# Altium PCB PCB_power.PcbDoc
Units mil, origin at the board's own origin, x right, y up, seen from the top; angles counter-clockwise.
Board outline 7372.49 x 4810 mil, 4 copper layers (Top Layer, PWR Plane, GND Plane, Bottom Layer), stack 43.624 mil thick; 85 components, 49 nets, 343 pads, 385 vias.
Unrouted connection lines stored in the file: 4.
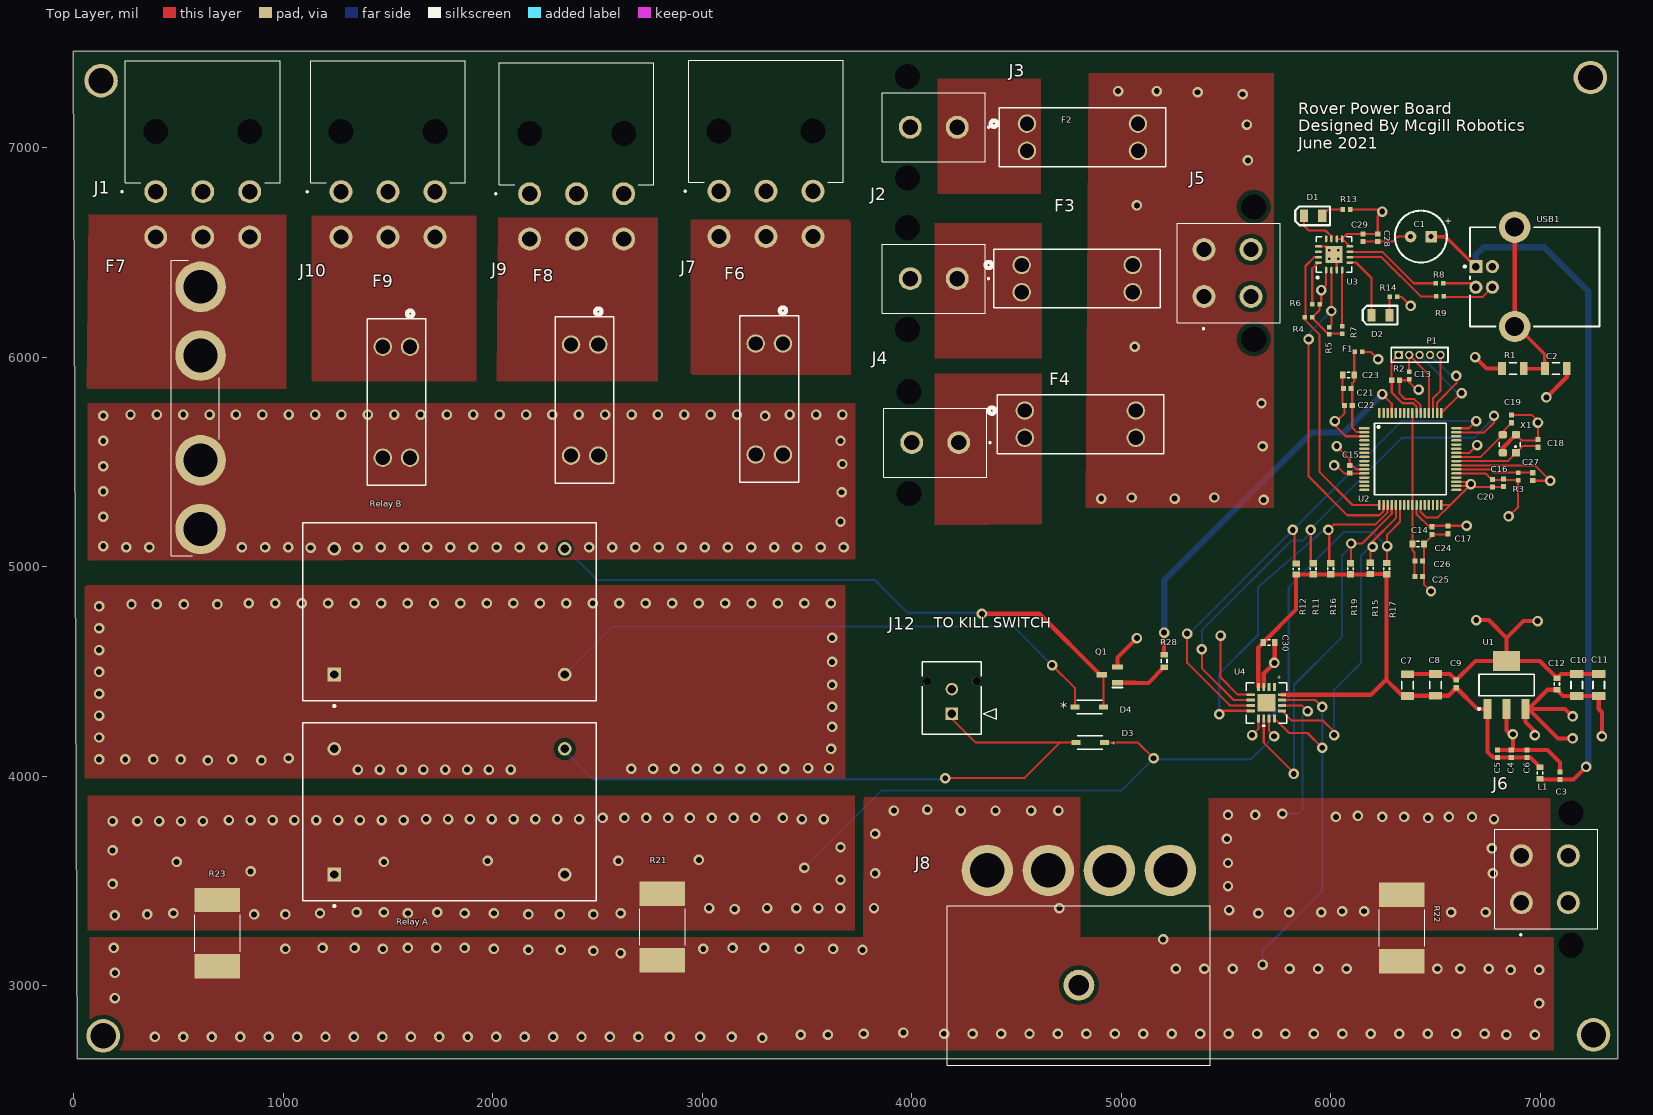
[diagram p0: Top Layer view]
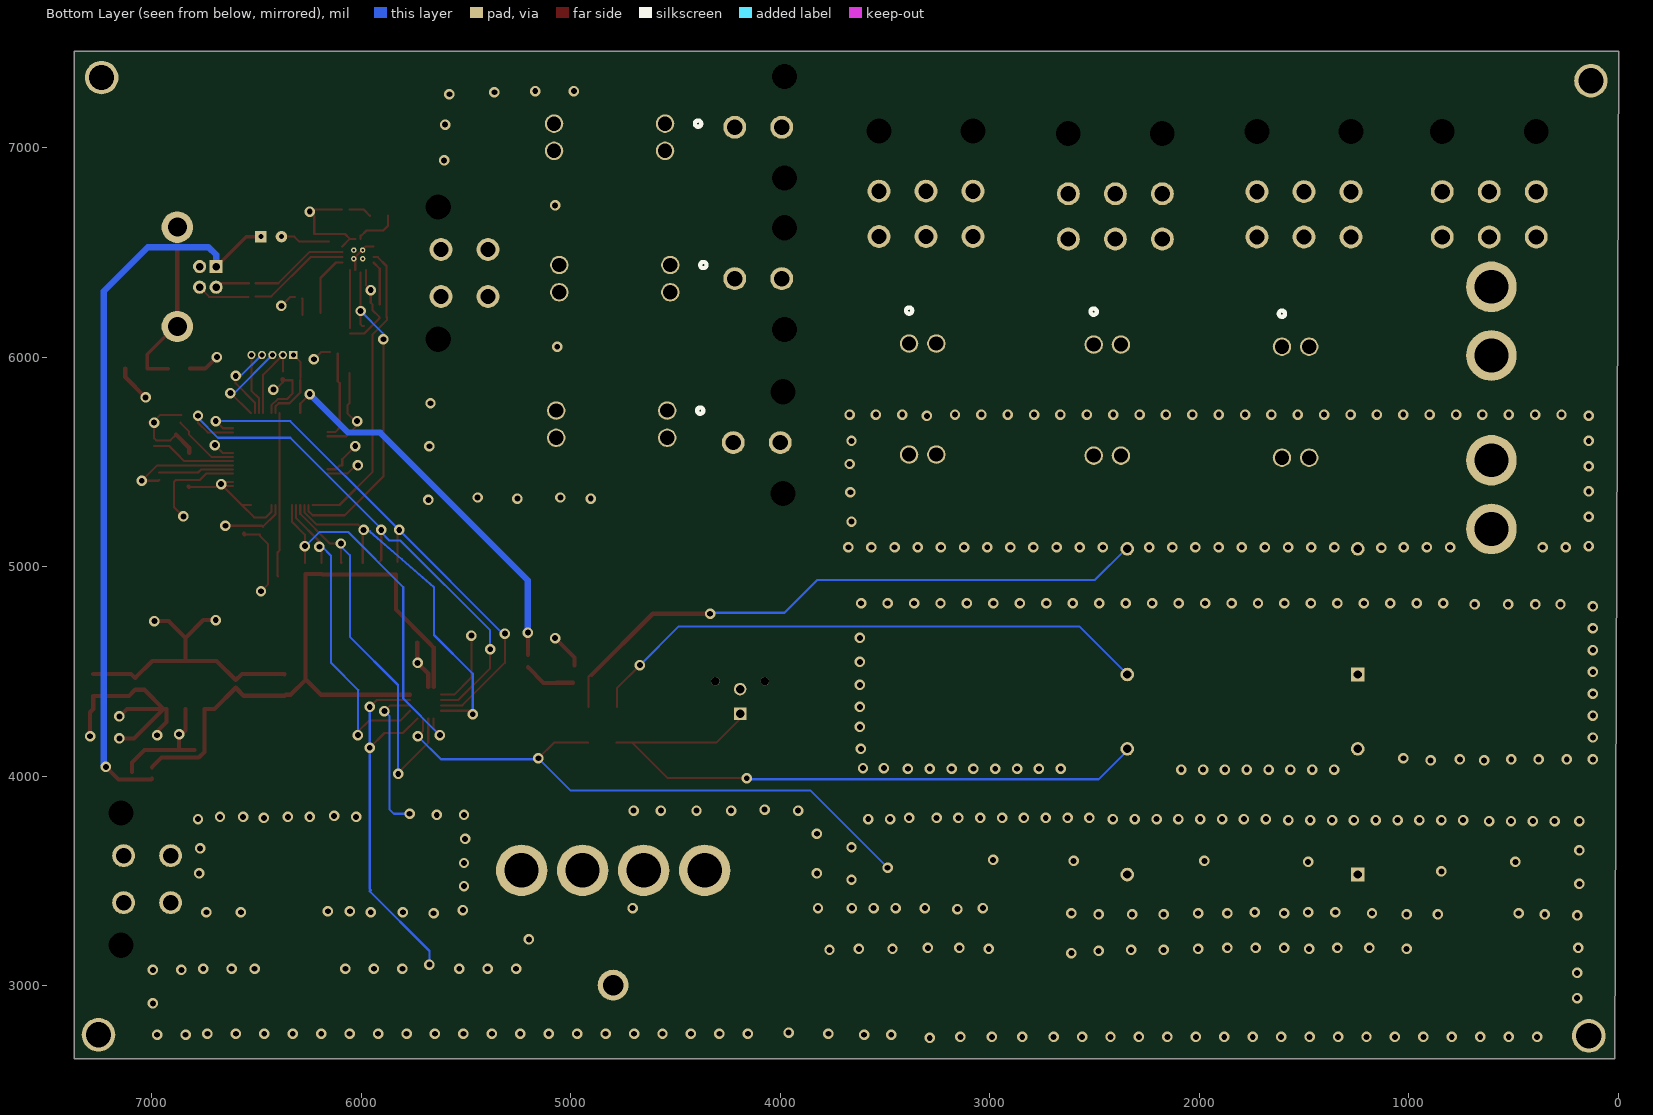
[diagram p1: Bottom Layer view, seen from below]
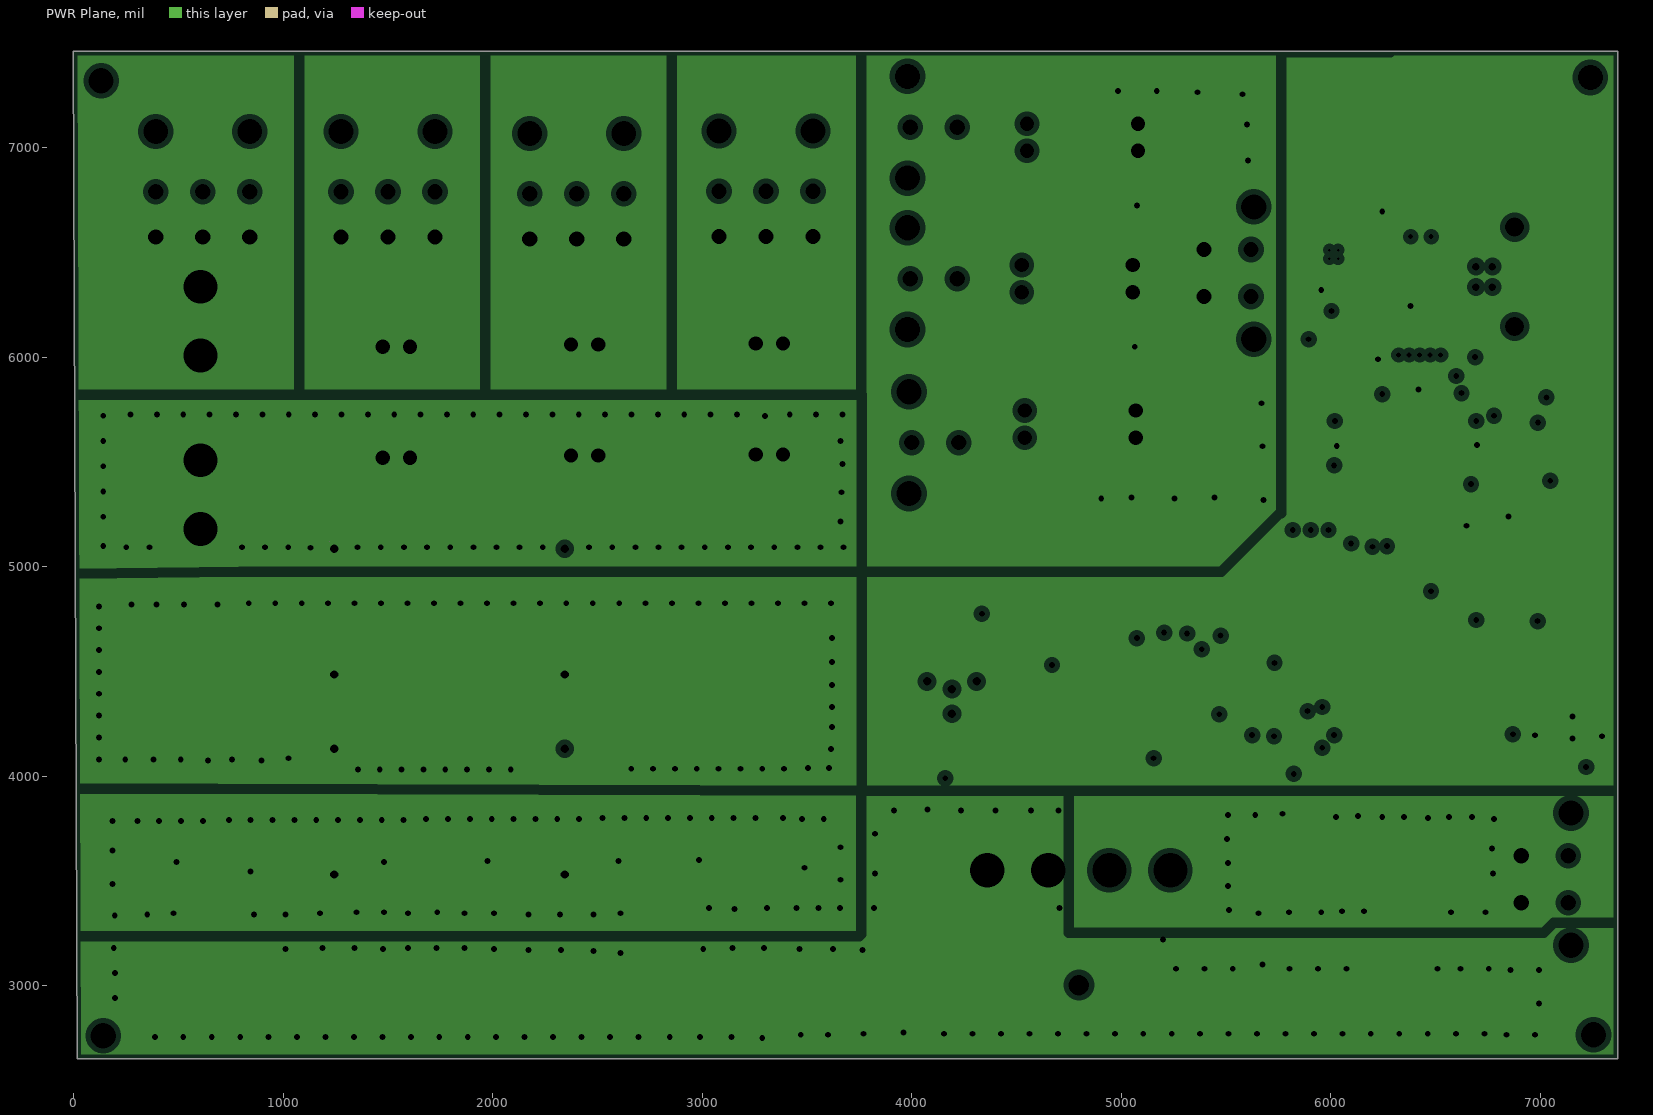
[diagram p2: PWR Plane, clearances drawn from the general rule]
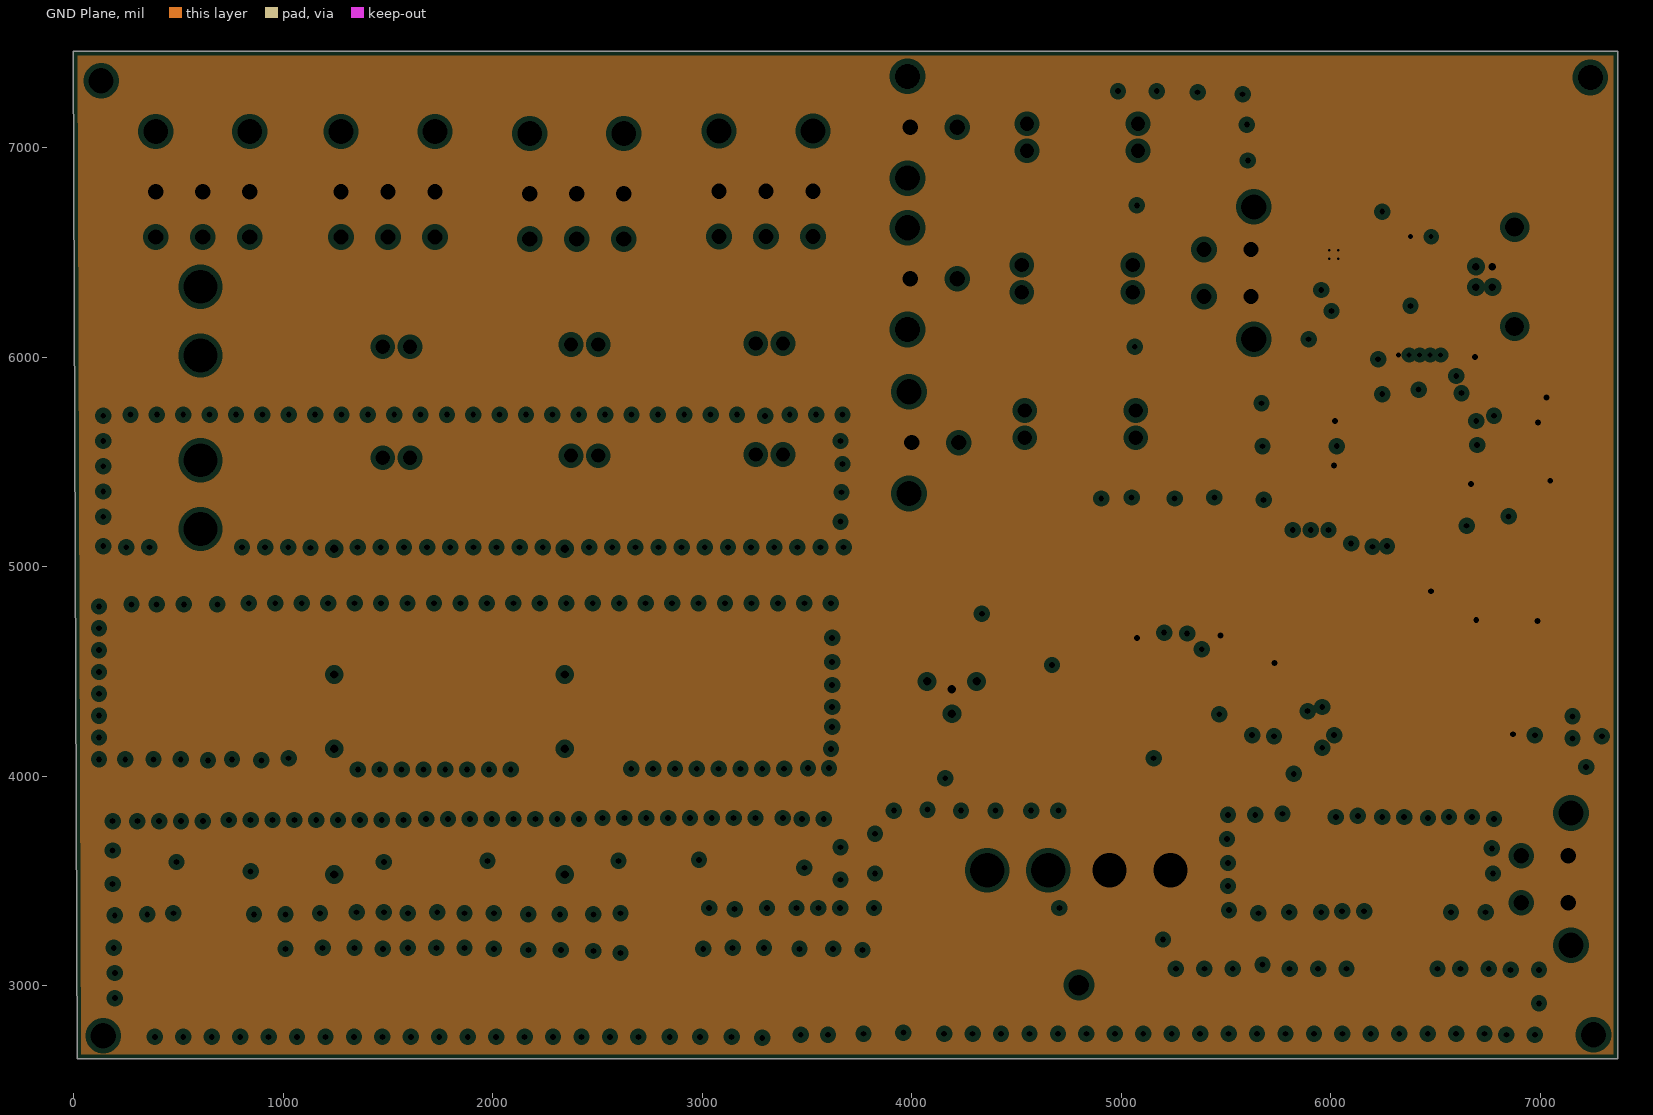
[diagram p3: GND Plane, clearances drawn from the general rule]
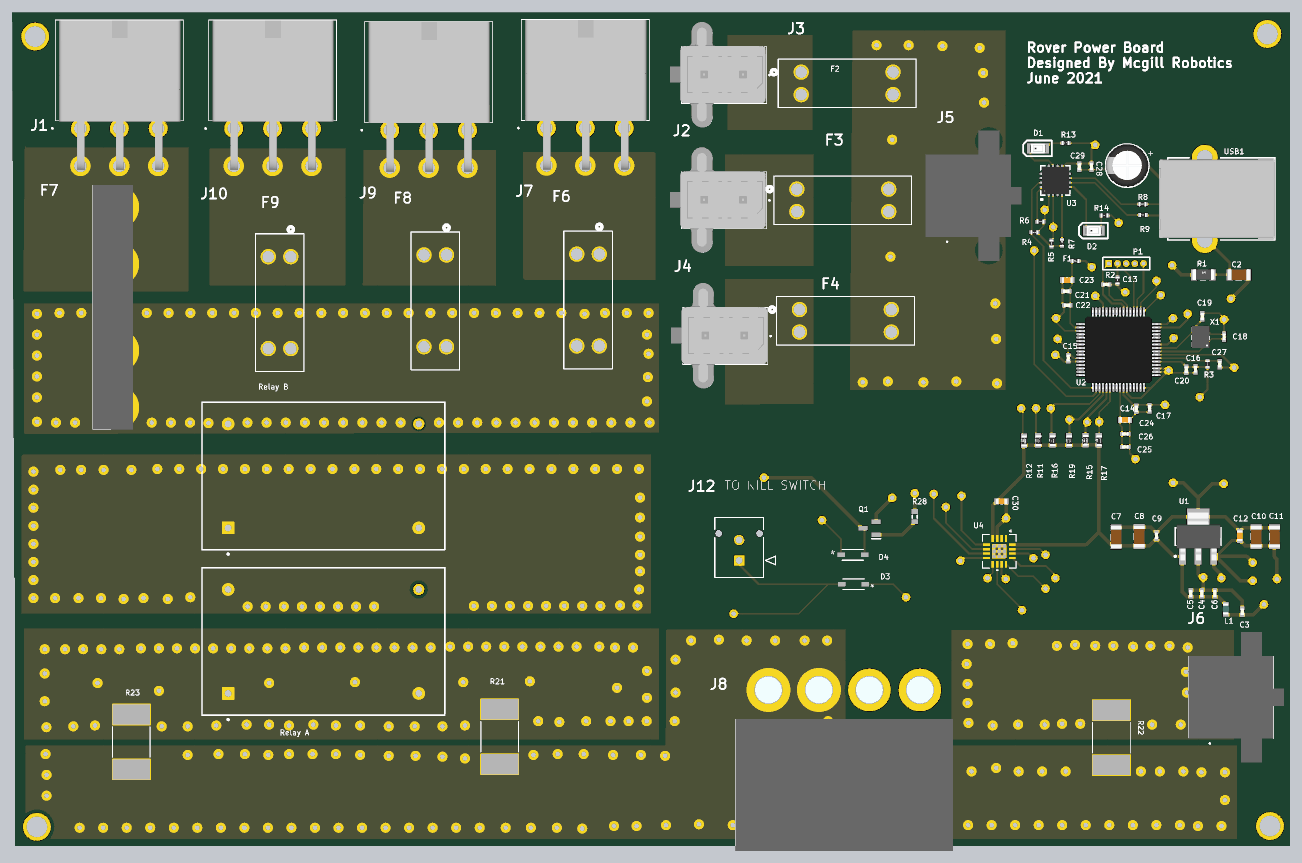
[diagram p4: 3D render of the assembled board from above, using the file's embedded part models]

## Layer stack, top to bottom
Top Solder: solder mask 0.4, Solder Resist, Dk 3.5
Top Layer: signal copper 2.7559
Dielectric 1: dielectric 12.6, FR-4, Dk 4.8
PWR Plane: plane copper 2.7559, net (Multiple Nets)
Dielectric 2: dielectric 10, Dk 4.2
GND Plane: plane copper 2.7559, net GND
Dielectric 3: dielectric 10, Dk 4.2
Bottom Layer: signal copper 2.7559
Bottom Solder: solder mask 0.4, Solder Resist, Dk 3.5

## Board outline
-2.49,7460 7370,7460 7370,2650 14.86,2650
cut-out: 1219.33,5117.67
cut-out: 8064.41,6636.2
cut-out: 5920,935

## Design rules (kind name [scope] priority, off if disabled: settings)
Clearance Clearance_5 [InNamedPolygon('Top Layer-IN-1')] p1: gap=10 ignorepadtopadclearanceinfootprint=FALSE
Clearance Clearance_4 [InNamedPolygon('Top Layer-RELAY_B')] p2: gap=10 ignorepadtopadclearanceinfootprint=FALSE
Clearance Clearance_3 [InNamedPolygon('Top Layer-IN-1')] p3: gap=10 ignorepadtopadclearanceinfootprint=FALSE
Clearance Clearance_2 [InNamedPolygon('Top Layer-12V')] p4: gap=20 ignorepadtopadclearanceinfootprint=FALSE
Clearance Clearance_1 [InNamedPolygon('Top Layer-RELAY_A')] p5: gap=19.68 ignorepadtopadclearanceinfootprint=FALSE
Clearance [All] p6: gap=5 ignorepadtopadclearanceinfootprint=FALSE except(20: Arc-Poly THPad-Poly)
HoleSize [All] p1: absolutevalues=TRUE maxlimit=200 minlimit=1 maxpercent=80.000 minpercent=20.000
MinimumSolderMaskSliver [All] p1: minsoldermaskwidth=2
PlaneClearance [All] p1: clearance=25
PlaneConnect PlaneConnect_1 [Not InComponent('U3')] p1: planeconnectstyle=Direct reliefexpansion=20 reliefentries=4 reliefconductorwidth=10 reliefairgap=10
PlaneConnect [InComponent('U3')] p2: planeconnectstyle=Direct reliefexpansion=20 reliefentries=4 reliefconductorwidth=10 reliefairgap=10
PolygonConnect [All] p1: connectstyle=Direct reliefconductorwidth=10 reliefentries=4 polygonreliefangle="90 Angle" airgapwidth=10
RoutingVias [All] p1: holewidth=28 width=50 viastyle="Through Hole" minholewidth=28 minwidth=50 maxholewidth=28 maxwidth=50
SilkToSilkClearance [All] p1: silktosilkclearance=2
SilkToSolderMaskClearance [IsPad] p1: minsilkscreentomaskgap=2 clearancetoexposedcopper=TRUE
SolderMaskExpansion [All] p1: expansion=4
Width [All] p1: maxlimit=30 minlimit=10 preferedwidth=10 toplayer_maxwidth=20 minimp=50.000000 maximp=50.000000 favimp=50.000000
24 further rules are at their usual default settings.

## Components (designator, comment, footprint, x,y, rotation, side; value= is the part's Value field where it differs from the comment)
C1 "100uF" CapAlu6.3mmx12.5mm 6430.79,6575.43 r0 top
C2 "10nF" CAP_1206 7075,5945.43 r180 top
C3 "10nF" CAP_0402_M 7095,4001.89 r270 top
C4 "100nF" CAP_0402_M 6862.16,4106.8 r270 top
C5 "2.2uF" CAP_0402_M 6797.16,4106.8 r270 top
C6 "2.2uF" CAP_0402_M 6937.16,4106.8 r270 top
C7 "100uF" CAP_1206 6366.57,4433.82 r90 top
C8 "100uF" CAP_1206 6500,4435.43 r90 top
C9 "1uF" CAP_0402_M 6600,4440 r270 top
C10 "100uF" CAP_1206 7175,4435 r90 top
C11 "100uF" CAP_1206 7280,4435 r90 top
C12 "10uF" CAP_0603 7080,4440 r90 top
C13 "10nF" CAP_0402_M 6310,5890 r0 top
C14 "100nF" CAP_0402_M 6483.42,5172.32 r90 top
C15 "100nF" CAP_0402_M 6091.42,5465 r90 top
C16 "10nF" CAP_0402_M 6825,5400 r90 top
C17 "100nF" CAP_0402_M 6560,5175 r90 top
C18 "13pF" CAP_0402_M 6990,5588.11 r270 top
C19 "13pF" CAP_0402_M 6864.21,5705 r270 top
C20 "100nF" CAP_0402_M 6772.21,5398.11 r90 top
C21 "10nF" CAP_0402_M 6080,5850 r0 top
C22 "100nF" CAP_0402_M 6085,5770 r0 top
C23 "10uF" CAP_0603 6085,5915 r0 top
C24 "2.2uF" CAP_0603 6417.91,5107.67 r180 top
C25 "1uF" CAP_0402_M 6420.08,4952.67 r180 top
C26 "100nF" CAP_0402_M 6420.08,5027.24 r180 top
C27 "100nF" CAP_0402_M 6965,5430 r90 top
C28 "100nF" CAP_0402_M 6155,6570 r90 top
C29 "100nF" CAP_0402_M 6225,6570 r90 top
C30 "100nF" CAP_0603 5706.07,4638.11 r180 top
D1 "Led Red" "TOPLED 0805" 5916.1,6675 r180 top
D2 "Led Red" "TOPLED 0805" 6238.31,6200.43 r180 top
D3 "1N4148W-7-F" SOD123_DIO 4852.09,4160 r180 top
D4 "1N4148W-7-F" SOD123_DIO 4847.91,4330 r0 top
F1 "550mA" RES_0402_M 6132.28,6025 r180 top
F2 "3557-2" CONN_3557-2_KEY 4525,6440 r0 top
F3 "3557-2" CONN_3557-2_KEY 4550,7115 r0 top
F4 "3557-2" CONN_3557-2_KEY 4540,5745 r0 top
F6 "3557-2" CONN_3557-2_KEY 3385,6065 r270 top
F7 "3555-2" 35552 605,6335.91 r270 top
F8 "3557-2" CONN_3557-2_KEY 2503.58,6060 r270 top
F9 "3557-2" CONN_3557-2_KEY 1605,6050 r270 top
J1 "76825-0006" 0768250006 605,6995 r180 top
J2 "76829-0002" 768290002 4217.2,6375 r90 top
J3 "76829-0002" 768290002 4217.2,7097.91 r90 top
J4 "76829-0002" 768290002 4224.41,5592.09 r90 top
J5 "76829-0004" 768290004 5395.59,6289.41 r270 top
J6 "76829-0004" 768290004 6910.59,3395.59 r270 top
J7 "76825-0006" 0768250006 3294.09,6997.32 r180 top
J8 "201843-1040" 2018431040 5235,3550 r180 top
J9 "76825-0006" 0768250006 2390,6985 r180 top
J10 "76825-0006" 0768250006 1489.68,6995 r180 top
J12 "ToKillSwitch" CON_430450213_MOL 4191.89,4297.38 r0 top
L1 "200R" IND_0603 7000,4015 r90 top
P1 "MHDR1X5" MHDR1X5 6325,6010.43 r0 top
Q1 "FMMT614TA" SOT95P230X110-3N 4945,4483.14 r180 top
R1 "1M" RES_1206 6870,5945.43 r0 top
R2 "10k" RES_0402_M 6375,5913.15 r90 top
R3 "10k" RES_0402_M 6895,5430 r90 top
R4 "10k" RES_0402_M 5895,6190.43 r0 top
R5 "10k" RES_0402_M 5993.56,6126.18 r270 top
R6 "10k" RES_0402_M 5930,6251.97 r0 top
R7 "10k" RES_0402_M 6055,6130.43 r270 top
R8 "27" RES_0402_M 6520,6352.71 r180 top
R9 "27" RES_0402_M 6522.28,6290.43 r180 top
R11 "10k" RES_0603 5916.61,4990 r90 top
R12 "10k" RES_0603 5835,4988.43 r90 top
R13 "120" RES_0402_M 6076.05,6705 r0 top
R14 "120" RES_0402_M 6300,6288.15 r0 top
R15 "10k" RES_0603 6190,4991.81 r90 top
R16 "10k" RES_0603 6000,4990 r90 top
R17 "10k" RES_0603 6267.25,4990.23 r90 top
R19 "10k" RES_0603 6095,4990 r90 top
R21 "PSR400ITQFH1L00" RESC10052X105N 2810,3280 r90 top
R22 "PSR400ITQFH1L00" RESC10052X105N 6340,3275 r90 top
R23 "PSR400ITQFH1L00" RESC10052X105N 685,3250 r90 top
R28 "" J1-0603 5205,4549.53 r270 top value=10K
"Relay A" "J115F11AH24VDCS61.5U" MODULE4 1793.29,3830 r0 top
"Relay B" "J115F11AH24VDCS61.5U" MODULE4 1793.29,4785 r0 top
U1 "MCP1825S-3302E/DB" SOT230P700X180-4N 6840,4435 r90 top
U2 "TM4C123GH6PMI" TSQFP50P1200X1200X120-64N 6232.87,5733.5 r0 top
U3 "FT230XQ" QFN65P400X400X80_HS-17N 6016.61,6490.23 r90 top
U4 "INA3221AQRGVRQ1" RGV16_2P16X2P16_ 5693.28,4350 r270 top
USB1 "USB type-B jack" USB2.5-2H4E 6732.84,6383.42 r0 top
X1 "CRYSTAL 16MHZ" CRYSTAL_3.2x2.5 6885,5543.54 r180 top

## Footprints (in the part's own frame and the unit in brackets; to place one, negate y for a bottom-side part, rotate by r counter-clockwise, add the part's x,y. Pads: shape width x height; smd on the part's side, far side on the other; paste and mask are expansions set on the pad)
35552 [mm]
  round 6.135 hole 4.09: 1(0,0) 2(8.33,0) 3(21.03,0) 4(29.36,0)
  silkscreen extent -3.22,-3.59 32.59,2.25, body extent -3.22,-3.59 32.59,2.25, height 11.7
0768250006 [mm]
  round 2.775 hole 1.85: 1(5.438,5.2) 2(-0.262,5.2) 3(-5.963,5.2) 4(5.438,10.7) 5(-0.262,10.7) 6(-5.963,10.7)
  round 1.5 hole 3 unplated: MH1(5.438,-2.1) MH2(-5.963,-2.1)
  silkscreen extent -9.64,-10.7 9.64,5.3, body extent -9.2,-10.65 8.56,11.31, height 14.4
768290002 [mm]
  round 2.775 hole 1.85: 1(0,0) 2(0,5.7)
  round 1.525 hole 3.05 unplated: MH1(-6.17,6.025) MH2(6.17,6.025)
  silkscreen extent -4.18,-3.9 4.18,9.09, body extent -7.62,-3.24 7.78,10.79, height 14.77
768290004 [mm]
  round 2.775 hole 1.85: 1(0,0) 2(-5.7,0) 3(0,5.7) 4(-5.7,5.7)
  round 1.525 hole 3.05 unplated: MH1(5.17,6.025) MH2(-10.87,6.025)
  silkscreen extent -8.87,-3.23 4,9.25, body extent -12.39,-3.23 6.7,10.8, height 14.9
2018431040 [mm]
  round 6.225 hole 4.15: 1(0,0) 2(7.4,0) 3(14.8,0) 4(22.2,0)
  round 3.75 hole 2.5: MH1(11.1,13.92)
  silkscreen extent -4.83,4.27 27.03,23.61, body extent -4.83,-1.97 27.03,23.61, height 11.68
CAP_0402_M [mm] "Chip Capacitor, 2-Leads, Body 1.00x0.50mm, IPC Medium Density"
  rect 0.62x0.62 smd: 1(-0.46,0) 2(0.46,0)
  body extent -0.5,-0.26 0.5,0.27, height 0.36
CAP_0603 [mm] "Chip Capacitor, 2-Leads, Body 1,6x0,8mm, IPC High Density"
  rect 0.7x0.85 smd: 1(-0.7,0) 2(0.7,0)
  silkscreen extent -0.15,-0.33 0.15,0.33, body extent -0.8,-0.42 0.8,0.38, height 0.7
CAP_1206 [mm] "Chip Capacitor, 2-Leads, Body 3,1x1,6mm, IPC High Density"
  rect 0.95x1.6 smd: 1(-1.325,0) 2(1.325,0)
  silkscreen extent -0.45,-0.7 0.45,0.7, body extent -1.63,-0.82 1.57,0.78, height 1.6
CapAlu6.3mmx12.5mm [mm] "Capacitor Aluminum 6.3mm OD"
  rect 1.4x1.4 hole 0.6: 1(1.25,0)
  round 1.4 hole 0.6: 2(-1.25,0)
  silkscreen extent -3.15,-3.15 3.15,3.15, body extent -3.15,-3.11 3.15,3.19, height 12
CON_430450213_MOL [mm]
  rect 1.52x1.52 hole 1.02 mask+0.076: 1(0,0)
  round 1.52 hole 1.02 mask+0.076: 2(0,3)
  round 1.02 hole 1.02 unplated mask+0.076: M1(3,3.94) M2(-3,3.94)
  silkscreen extent -3.57,-2.47 5.35,6.3, body extent 0,0 0.25,0.25, height 0.25
CONN_3557-2_KEY [mil]
  round 88 hole 68 mask+0: 1(0,0) 2(0,-130) 3(530,0) 4(530,-130)
  silkscreen extent -172,-205 662,75, body extent 0,0 10,10, height 10
CRYSTAL_3.2x2.5 [mm]
  rect 1x0.9 smd: 1(0,0)
  rrect50% 1x0.9 smd: 2(0,-2.2) 3(1.6,-2.2) 4(1.6,0)
  silkscreen extent -0.51,-1.27 2.03,-0.69, body extent -0.5,-2.7 2,0.5, height 0.93
IND_0603 [mm]
  rect 0.7x0.85 smd: 1(-0.7,0) 2(0.7,0)
  silkscreen extent -0.15,-0.32 0.15,0.32, body extent -0.74,-0.4 0.86,0.4, height 0.95
J1-0603 [mm] "Chip Resistor, Body 1.6x0.8mm, IPC High Density"
  rect 0.7x0.9 smd: 1(-0.75,0) 2(0.75,0)
  silkscreen extent -0.2,-0.35 0.2,0.35, body extent -0.85,-0.48 0.85,0.48, height 0.9
MHDR1X5 [mm] "Connector; Header; 5 Position"
  rect 1x1 hole 0.6: 1(0,0)
  round 1 hole 0.6: 2(1.27,0) 3(2.54,0) 4(3.81,0) 5(5.08,0)
  silkscreen extent -0.9,-0.9 5.98,0.9
MODULE4 [mm] "DIP; 4 Round Pins; Row Space 27.94 mm; Pitch 15.24 mm"
  rect 1.65x1.65 hole 1: 1(-13.97,-7.62)
  round 1.65 hole 1: 2(-13.97,7.62) 3(13.97,-7.62) 4(13.97,7.62)
  silkscreen extent -17.8,-11.57 17.8,10.8, body extent -17.8,-10.8 17.8,10.8, height 14
QFN65P400X400X80_HS-17N [mm] "QFN, 16-Leads, Body 4.00x4.00mm, Pitch 0.65mm, Thermal Pad 2.08x2.08mm, IPC Medium Density"
  oval 0.85x0.3 smd: 1(-1.9,0.975) 2(-1.9,0.325) 3(-1.9,-0.325) 4(-1.9,-0.975) 9(1.9,-0.975) 10(1.9,-0.325) 11(1.9,0.325) 12(1.9,0.975)
  oval 0.3x0.85 smd: 5(-0.975,-1.9) 6(-0.325,-1.9) 7(0.325,-1.9) 8(0.975,-1.9) 13(0.975,1.9) 14(0.325,1.9) 15(-0.325,1.9) 16(-0.975,1.9)
  round 0.66 hole 0.305: 17(-0.516,-0.493) 17(-0.516,0.567) 17(0.538,-0.493) 17(0.538,0.567)
  rect 2.08x2.08 smd: 17(0,0)
  silkscreen extent -2.92,-2.15 2.15,2.15, body extent -2,-2 2,2, height 0.92
RES_0402_M [mm] "Chip Resistor, 2-Leads, Body 1.00x0.50mm, IPC Medium Density"
  rect 0.55x0.55 smd: 1(-0.45,0) 2(0.45,0)
  body extent -0.52,-0.3 0.52,0.3, height 0.34
RES_0603 [mm] "Chip Resistor, 2-Leads, Body 1,6x0,8mm, IPC High Density"
  rect 0.75x0.9 smd: 1(-0.675,0) 2(0.675,0)
  silkscreen extent -0.1,-0.35 0.1,0.35, body extent -0.82,-0.48 0.72,0.38, height 0.45
RES_1206 [mm] "Chip Resistor 2-Leads, Body 3,1x1,6mm, IPC High Density"
  rect 0.95x1.6 smd: 1(-1.325,0) 2(1.325,0)
  silkscreen extent -0.45,-0.7 0.45,0.7, body extent -1.59,-0.76 1.61,0.84, height 1
RESC10052X105N [mm]
  rect 2.96x5.51 smd: 1(-4.027,0) 2(4.027,0)
  silkscreen extent -2.23,-2.75 2.23,2.75
RGV16_2P16X2P16_ [mm]
  rect 1x0.35 smd paste-0.175 mask+0: 1(-1.9,0.975) 2(-1.9,0.325) 3(-1.9,-0.325) 4(-1.9,-0.975) 9(1.9,-0.975) 10(1.9,-0.325) 11(1.9,0.325) 12(1.9,0.975)
  rect 0.35x1 smd paste-0.175 mask+0: 5(-0.975,-1.9) 6(-0.325,-1.9) 7(0.325,-1.9) 8(0.975,-1.9) 13(0.975,1.9) 14(0.325,1.9) 15(-0.325,1.9) 16(-0.975,1.9)
  rect 2.16x2.16 smd paste-1.067 mask-1.067: 17(0,0)
  silkscreen extent -2.46,-2.46 2.91,2.46, body extent 0,0 0.25,0.25, height 0.25
SOD123_DIO [mm]
  rect 1.111x0.601 smd paste+0 mask+0: 1(-1.725,0) 2(1.725,0)
  silkscreen extent -1.55,-0.8 1.55,0.8, body extent 0,0 0.25,0.25, height 0.25
SOT95P230X110-3N [mm]
  rect 1.3x0.65 smd: 1(-0.95,0.95) 2(-0.95,-0.95) 3(0.95,0)
  silkscreen extent -1.6,1.53 -0.3,1.53
SOT230P700X180-4N [mm] "SOT223, 4-Leads, Body 6,7x7,3mm (max), Pitch 2,30mm, IPC Medium Density"
  rect 2.4x1 smd: 1(-2.9,2.3) 2(-2.9,0) 3(-2.9,-2.3)
  rect 2.4x3.3 smd: 4(2.9,0)
  silkscreen extent -3.02,-3.35 1.3,3.47, body extent -3.5,-3.3 3.5,3.2, height 1.69
"TOPLED 0805" [mm]
  rect 1x1.5 smd: 1(-1.1,0) 2(1.1,0)
  silkscreen extent -2.03,-1.14 2.16,1.14, body extent -1.2,-0.74 1.2,0.76, height 1.45
TSQFP50P1200X1200X120-64N [mm] "TSQFP, 64-Leads, Body 12,0x12,0mm (max), Pitch 0,50mm, IPC Medium Density"
  rect 1.25x0.3 smd: 1(-1.825,-1.825)
  oval 1.25x0.3 smd: 2(-1.825,-2.325) 3(-1.825,-2.825) 4(-1.825,-3.325) 5(-1.825,-3.825) 6(-1.825,-4.325) 7(-1.825,-4.825) 8(-1.825,-5.325) 9(-1.825,-5.825) 10(-1.825,-6.325) 11(-1.825,-6.825) 12(-1.825,-7.325) 13(-1.825,-7.825) 14(-1.825,-8.325) 15(-1.825,-8.825) 16(-1.825,-9.325) 33(9.325,-9.325) 34(9.325,-8.825) 35(9.325,-8.325) 36(9.325,-7.825) 37(9.325,-7.325) 38(9.325,-6.825) 39(9.325,-6.325) 40(9.325,-5.825) 41(9.325,-5.325) 42(9.325,-4.825) 43(9.325,-4.325) 44(9.325,-3.825) 45(9.325,-3.325) 46(9.325,-2.825) 47(9.325,-2.325) 48(9.325,-1.825)
  oval 0.3x1.25 smd: 17(0,-11.15) 18(0.5,-11.15) 19(1,-11.15) 20(1.5,-11.15) 21(2,-11.15) 22(2.5,-11.15) 23(3,-11.15) 24(3.5,-11.15) 25(4,-11.15) 26(4.5,-11.15) 27(5,-11.15) 28(5.5,-11.15) 29(6,-11.15) 30(6.5,-11.15) 31(7,-11.15) 32(7.5,-11.15) 49(7.5,0) 50(7,0) 51(6.5,0) 52(6,0) 53(5.5,0) 54(5,0) 55(4.5,0) 56(4,0) 57(3.5,0) 58(3,0) 59(2.5,0) 60(2,0) 61(1.5,0) 62(1,0) 63(0.5,0) 64(0,0)
  silkscreen extent -0.6,-9.92 8.1,-1.23, body extent -2.05,-11.38 9.53,0.2, height 1
USB2.5-2H4E [mm] "Connector; USB1.1, Type B, Thru-Hole; 4 Position; Right Angle"
  rect 1.6x1.6 hole 0.92: 1(-1,1.25)
  round 1.6 hole 0.92: 2(-1,-1.25) 3(1,-1.25) 4(1,1.25)